# KiCad board BV1.2.kicad_pcb
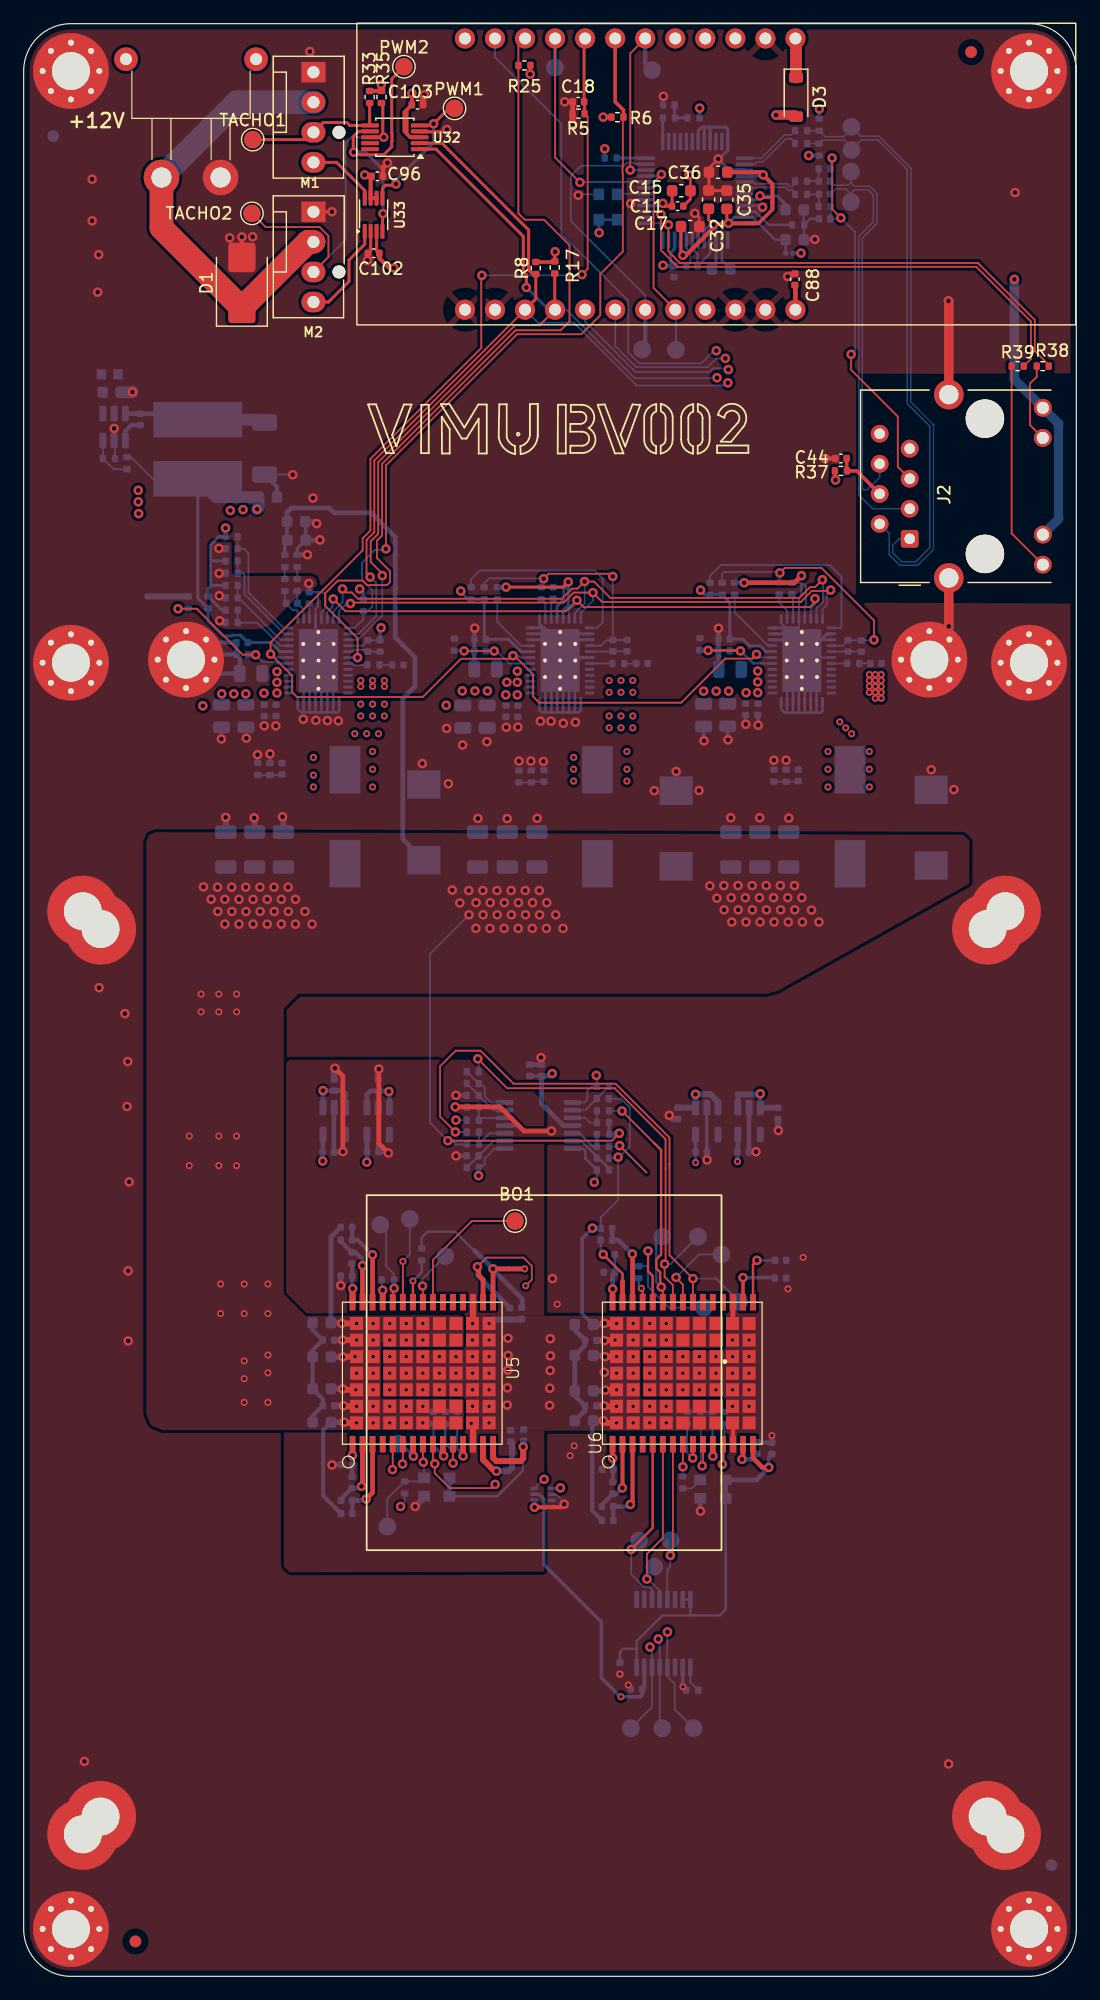
[diagram p0: board, top side]
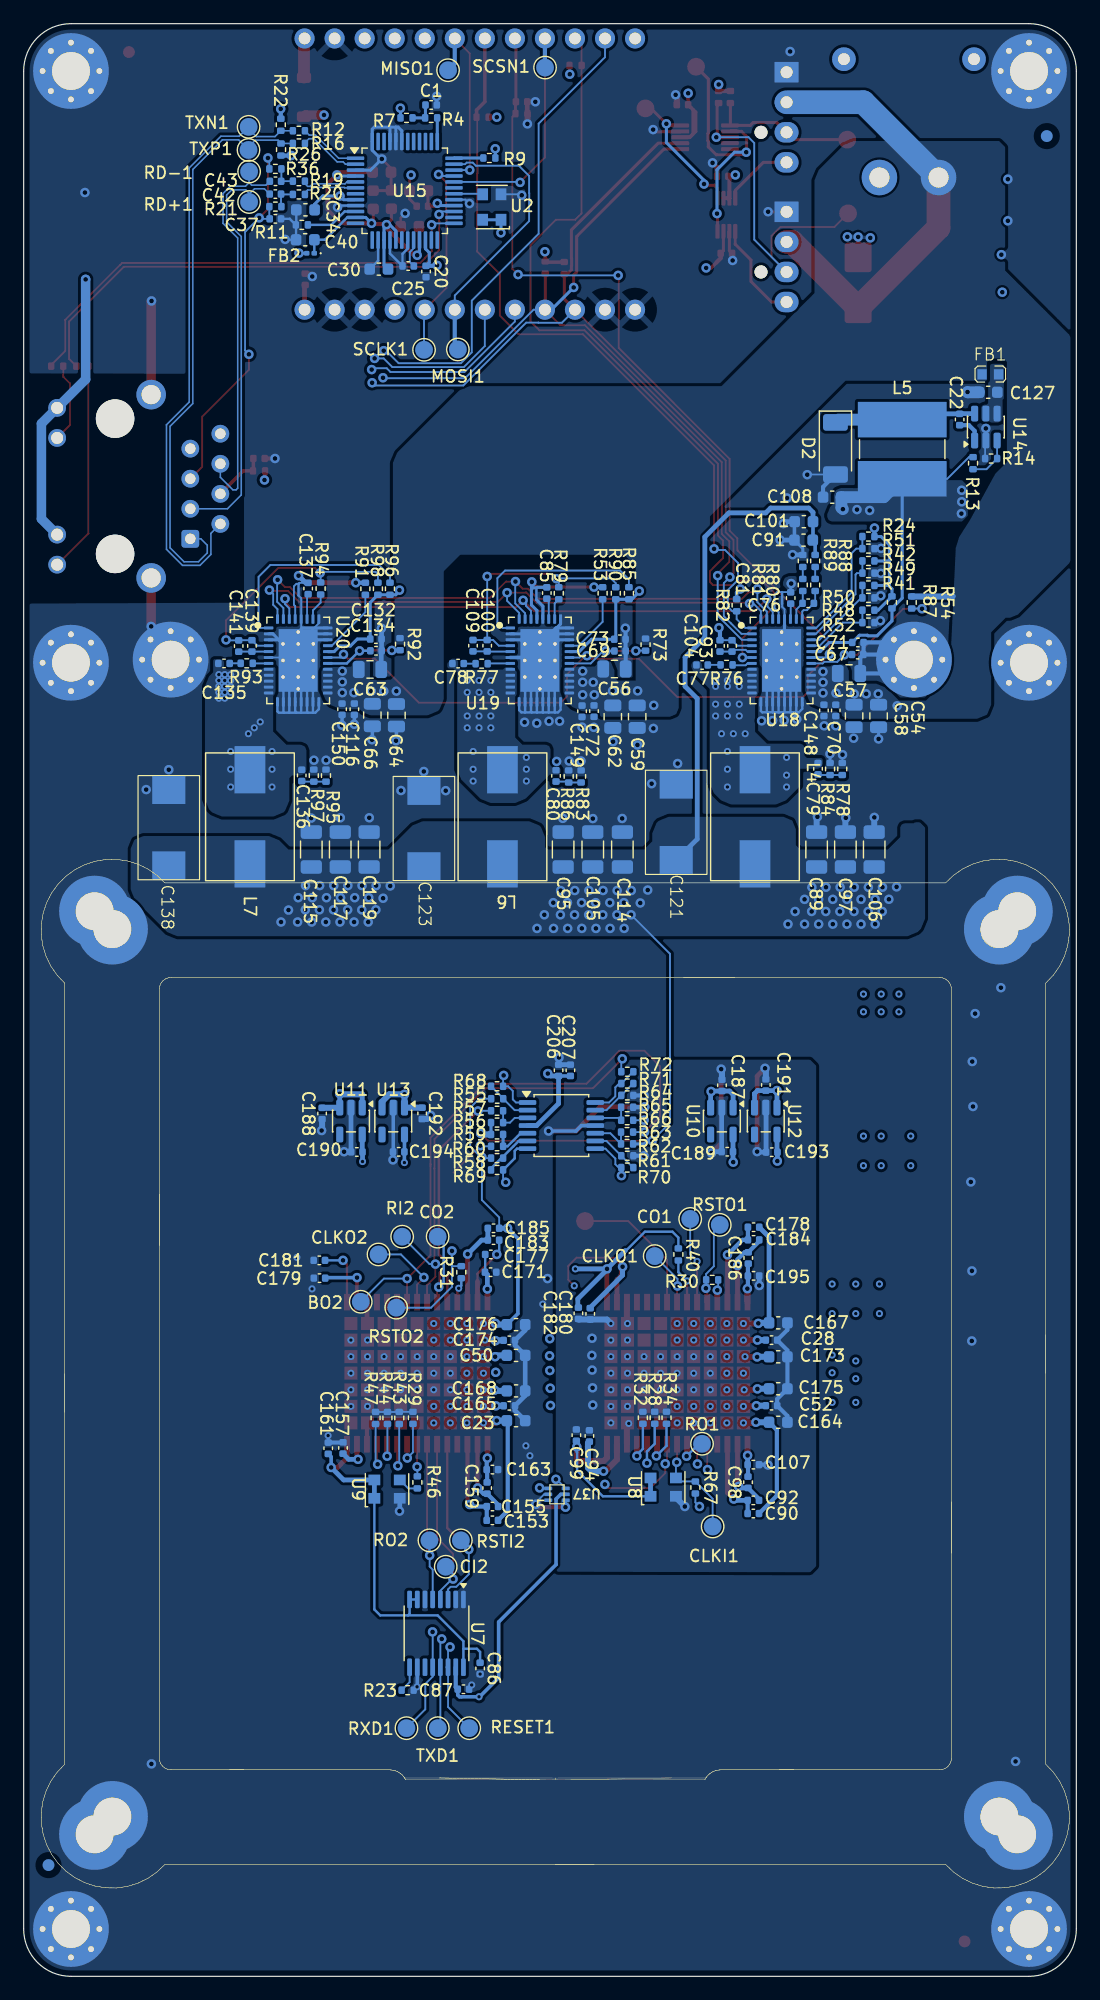
[diagram p1: board, bottom side, seen from below]

Outline 89 x 165 mm; copper layers: Top, In1.Cu, In2.Cu, Bottom. Coordinates in mm from the lower left corner of the outline.
Outline path: 0,161 0,4 arc(1.17,1.17) 4,0 85,0 arc(87.83,1.17) 89,4 89,161 arc(87.83,163.83) 85,165 4,165 arc(1.17,163.83) 0,161
Stack: Top 0.02mm / dielectric 0.1mm FR4 er 4.5 / In1.Cu 0.02mm / dielectric 1.3mm FR4 er 4.5 / In2.Cu 0.02mm / dielectric 0.1mm FR4 er 4.5 / Bottom 0.02mm

## Placement (name value [footprint] x y rotation side)
BO1  ~  [TestPoint_Pad_D1.5mm]  41.54 63.82 0 top
BO2  ~  [TestPoint_Pad_D1.5mm]  60.5 57 180 bottom
C1  0.1uF  [C_0402_1005Metric]  54.55 158.13 0 bottom
C11  100nf  [C_0402_1005Metric]  55.29 149.58 0 top
C15  10uF  [C_0603_1608Metric]  55.6 150.88 180 top
C17  0.1uF  [C_0603_1608Metric]  56.35 147.86 0 top
C18  0.1uF  [C_0402_1005Metric]  46.9 158.4 180 top
C20  10nf  [C_0402_1005Metric]  54.98 144.06 90 bottom
C22  10nf  [C_0402_1005Metric]  9.87 131.55 270 bottom
C23  100nf  [C_0402_1005Metric]  47.94 48.21 0 bottom
C25  4.7uF  [C_0402_1005Metric]  56.49 144.52 180 bottom
C28  100nf  [C_0402_1005Metric]  25.77 53.76 0 bottom
C30  0.1uF  [C_0603_1608Metric]  58.97 144.26 0 bottom
C32  0.1uF  [C_0603_1608Metric]  57.91 150.13 90 top
C34  0.1uF  [C_0603_1608Metric]  65.17 149.27 0 bottom
C35  0.1uF  [C_0603_1608Metric]  59.45 150.12 90 top
C36  0.1uF  [C_0603_1608Metric]  58.72 152.45 180 top
C37  10nf  [C_0402_1005Metric]  67.72 148.51 0 bottom
C40  10uF  [C_0603_1608Metric]  65.19 146.74 0 bottom
C42  10nf  [C_0402_1005Metric]  67.72 150.6 180 bottom
C43  10nf  [C_0402_1005Metric]  67.71 151.68 180 bottom
C44  22nf  [C_0402_1005Metric]  69.1 128.26 0 top
C50  33pF  [C_0402_1005Metric]  47.94 53.74 0 bottom
C52  33pF  [C_0402_1005Metric]  25.77 48.22 0 bottom
C54  10uf/25V  [C_0805_2012Metric]  16.72 106.5 90 bottom
C56  10uf/25V  [C_0805_2012Metric]  39.05 110.47 0 bottom
C57  10uf/25V  [C_0805_2012Metric]  19.22 110.09 0 bottom
C58  10uf/25V  [C_0805_2012Metric]  18.79 106.5 90 bottom
C59  10uf/25V  [C_0805_2012Metric]  37.13 106.44 90 bottom
C62  10uf/25V  [C_0805_2012Metric]  39.19 106.44 90 bottom
C63  10uf/25V  [C_0805_2012Metric]  59.72 110.43 0 bottom
C64  10uf/25V  [C_0805_2012Metric]  57.48 106.56 90 bottom
C66  10uf/25V  [C_0805_2012Metric]  59.52 106.58 90 bottom
C67  1uF  [C_0402_1005Metric]  18.49 111.69 0 bottom
C69  1uF  [C_0402_1005Metric]  38.58 111.99 0 bottom
C70  1uF  [C_0402_1005Metric]  20.34 106.97 90 bottom
C71  4.7uF  [C_0402_1005Metric]  18.47 112.71 0 bottom
C72  1uF  [C_0402_1005Metric]  40.78 106.91 90 bottom
C73  4.7uF  [C_0402_1005Metric]  38.59 112.98 0 bottom
C76  33pF  [C_0402_1005Metric]  22.67 116.02 180 bottom
C77  0.1uF  [C_0402_1005Metric]  31.64 110.81 0 bottom
C78  0.1uF  [C_0402_1005Metric]  52.27 110.93 0 bottom
C79  1000pF  [C_0402_1005Metric]  21.84 102.04 90 bottom
C80  1000pF  [C_0402_1005Metric]  43.99 101.44 90 bottom
C81  33pF  [C_0402_1005Metric]  24.15 116.47 270 bottom
C85  33pF  [C_0402_1005Metric]  44.77 116.89 270 bottom
C86  0.1uF  [C_0402_1005Metric]  50.41 26.02 270 bottom
C87  0.1uF  [C_0402_1005Metric]  51.82 24.26 180 bottom
C88  100nF  [C_0402_1005Metric]  65.2 143.4 90 top
C89  22uF  [C_1206_3216Metric]  21.96 95.22 90 bottom
C90  1uF  [C_0402_1005Metric]  27.31 39.11 0 bottom
C91  10uF  [C_0603_1608Metric]  23.06 121.36 0 bottom
C92  1uF  [C_0402_1005Metric]  27.31 40.22 180 bottom
C93  0.1uF  [C_0402_1005Metric]  29.11 112.42 90 bottom
C94  1uF  [C_0402_1005Metric]  41.17 45.66 90 bottom
C95  22uF  [C_1206_3216Metric]  43.39 95.22 90 bottom
C96  100nF  [C_0402_1005Metric]  29.9 152.1 0 top
C97  22uF  [C_1206_3216Metric]  19.53 95.22 90 bottom
C98  1uF  [C_0402_1005Metric]  27.76 41.75 90 bottom
C99  1uF  [C_0402_1005Metric]  42.27 45.73 90 bottom
C100  0.1uF  [C_0402_1005Metric]  49.81 112.44 90 bottom
C101  10uF  [C_0603_1608Metric]  23.04 122.92 0 bottom
C102  100nF  [C_0402_1005Metric]  29.59 145.6 180 top
C103  100nF  [C_0402_1005Metric]  33.3 158.15 0 top
C104  2.2uF  [C_0402_1005Metric]  30.13 112.42 90 bottom
C105  22uF  [C_1206_3216Metric]  40.89 95.22 90 bottom
C106  22uF  [C_1206_3216Metric]  17.09 95.22 90 bottom
C107  1uF  [C_0402_1005Metric]  27.31 43.24 180 bottom
C108  22u/16V  [C_0603_1608Metric]  20.64 124.99 0 bottom
C109  2.2uF  [C_0402_1005Metric]  51.01 112.44 90 bottom
C114  22uF  [C_1206_3216Metric]  38.38 95.22 90 bottom
C115  22uF  [C_1206_3216Metric]  64.68 95.22 90 bottom
C116  1uF  [C_0402_1005Metric]  61.04 107.07 90 bottom
C117  22uF  [C_1206_3216Metric]  62.23 95.22 90 bottom
C119  22uF  [C_1206_3216Metric]  59.79 95.22 90 bottom
C121  560uf  [D7.3xL4.3]  33.83 100.72 270 bottom
C123  560uf  [D7.3xL4.3]  55.16 100.19 270 bottom
C127  10uF  [C_0603_1608Metric]  7.46 133.85 0 bottom
C132  1uF  [C_0402_1005Metric]  59.21 112.01 0 bottom
C134  4.7uF  [C_0402_1005Metric]  59.22 113 0 bottom
C135  0.1uF  [C_0402_1005Metric]  72.06 110.94 0 bottom
C136  1000pF  [C_0402_1005Metric]  65.49 101.48 90 bottom
C137  33pF  [C_0402_1005Metric]  64.95 117.27 270 bottom
C138  560uf  [D7.3xL4.3]  76.73 100.26 270 bottom
C139  0.1uF  [C_0402_1005Metric]  69.7 112.42 90 bottom
C141  2.2uF  [C_0402_1005Metric]  70.82 112.41 90 bottom
C148  0.1uF  [C_0402_1005Metric]  21.34 106.97 90 bottom
C149  0.1uF  [C_0402_1005Metric]  41.79 106.9 90 bottom
C150  0.1uF  [C_0402_1005Metric]  62.08 107.07 90 bottom
C153  1uF  [C_0402_1005Metric]  49.37 38.53 0 bottom
C155  1uF  [C_0402_1005Metric]  49.37 39.7 180 bottom
C157  1uF  [C_0402_1005Metric]  62 44.65 90 bottom
C159  1uF  [C_0402_1005Metric]  49.82 41.26 90 bottom
C161  1uF  [C_0402_1005Metric]  63.25 44.63 90 bottom
C163  1uF  [C_0402_1005Metric]  49.37 42.82 180 bottom
C164  10uF  [C_0603_1608Metric]  25.2 46.82 180 bottom
C165  10uF  [C_0603_1608Metric]  47.37 46.95 180 bottom
C167  10uF  [C_0603_1608Metric]  25.2 55.22 180 bottom
C168  10uF  [C_0603_1608Metric]  47.37 49.47 180 bottom
C171  1uF  [C_0402_1005Metric]  49.52 59.5 0 bottom
C173  10uF  [C_0603_1608Metric]  25.2 52.35 180 bottom
C174  10uF  [C_0603_1608Metric]  47.37 52.47 180 bottom
C175  10uF  [C_0603_1608Metric]  25.2 49.65 180 bottom
C176  10uF  [C_0603_1608Metric]  47.37 55.07 180 bottom
C177  1uF  [C_0402_1005Metric]  49.5 61 180 bottom
C178  1uF  [C_0402_1005Metric]  27.29 63.3 180 bottom
C179  1uF  [C_0402_1005Metric]  63.99 59 0 bottom
C180  1uF  [C_0402_1005Metric]  41.1 55.98 270 bottom
C181  1uF  [C_0402_1005Metric]  64 60.5 0 bottom
C182  1uF  [C_0402_1005Metric]  42.1 56.03 270 bottom
C183  1uF  [C_0402_1005Metric]  49.28 62.21 0 bottom
C184  1uF  [C_0402_1005Metric]  27.29 62.23 0 bottom
C185  1uF  [C_0402_1005Metric]  49.28 63.21 180 bottom
C186  1uF  [C_0402_1005Metric]  27.74 60.7 90 bottom
C187  1uF  [C_0402_1005Metric]  29.96 75.29 270 bottom
C188  1uF  [C_0402_1005Metric]  63.77 72.91 90 bottom
C189  1uF  [C_0402_1005Metric]  29.51 69.68 180 bottom
C190  1uF  [C_0402_1005Metric]  60.83 69.66 180 bottom
C191  1uF  [C_0402_1005Metric]  26.25 75.32 270 bottom
C192  1uF  [C_0402_1005Metric]  55.31 72.92 90 bottom
C193  1uF  [C_0402_1005Metric]  25.75 69.64 180 bottom
C194  1uF  [C_0402_1005Metric]  57.29 69.67 180 bottom
C195  1uF  [C_0402_1005Metric]  27.29 59.19 0 bottom
C206  0.1uF  [C_0402_1005Metric]  43.78 76.56 270 bottom
C207  1uF  [C_0402_1005Metric]  42.78 76.56 270 bottom
CI2  ~  [TestPoint_Pad_D1.5mm]  53.32 34.61 180 bottom
CLKI1  ~  [TestPoint_Pad_D1.5mm]  30.75 38.01 180 bottom
CLKO1  ~  [TestPoint_Pad_D1.5mm]  35.65 60.86 180 bottom
CLKO2  ~  [TestPoint_Pad_D1.5mm]  59 61 180 bottom
CO1  ~  [TestPoint_Pad_D1.5mm]  32.65 64 180 bottom
CO2  ~  [TestPoint_Pad_D1.5mm]  54 62.5 180 bottom
D1  5KP18A  [D_SMB]  18.45 143.1 90 top
D2  ~  [D_SOD-128]  20.37 129.11 270 bottom
D3  1N5819  [D_SOD-123]  65.3 158.8 270 top
FB1  ~  [FB0603]  7.27 135.37 180 bottom
FB2  ~  [D_0201_0603Metric]  64.75 145.6 0 bottom
FID1  -  [Fiducial_1mm_Mask2mm]  9.45 2.95 0 top
FID2  -  [Fiducial_1mm_Mask2mm]  80.1 162.6 180 top
FID3  -  [Fiducial_1mm_Mask2mm]  86.9 9.4 180 bottom
FID4  -  [Fiducial_1mm_Mask2mm]  2.5 155.5 270 bottom
H1  MountingHole_Pad  [MountingHole_3.2mm_M3_Pad_Via]  4 161 0 top
H2  MountingHole_Pad  [MountingHole_3.2mm_M3_Pad_Via]  85 161 0 top
H3  MountingHole_Pad  [MountingHole_3.2mm_M3_Pad_Via]  85 111 0 top
H4  MountingHole_Pad  [MountingHole_3.2mm_M3_Pad_Via]  4 111 0 top
H5  MountingHole_Pad  [MountingHole_3.2mm_M3_Pad_Via]  4 4 0 top
H6  MountingHole_Pad  [MountingHole_3.2mm_M3_Pad_Via]  85 4 0 top
H7  MountingHole_Pad  [MountingHole_3.2mm_M3_Pad_Via]  13.73 111.26 0 top
H8  MountingHole_Pad  [MountingHole_3.2mm_M3_Pad_Via]  76.58 111.26 0 top
J1  XT30  [XT30PW-M]  14.15 152 0 top
J2  -  [RJ45_Hanrun_HR911105A_Horizontal]  74.91 121.47 90 top
L4  150nH  [SLC1175-271MEC_COC]  27.17 97.98 270 bottom
L5  4.7uH  [L_Ferrocore_DLG-0703]  14.72 129.04 270 bottom
L6  150nH  [SLC1175-271MEC_COC]  48.52 97.98 270 bottom
L7  150nH  [SLC1175-271MEC_COC]  69.87 97.98 270 bottom
M1  Fan_4pin  [FanPinHeader_1x04_P2.54mm_Vertical]  24.5 160.9 270 top
M2  Fan_4pin  [FanPinHeader_1x04_P2.54mm_Vertical]  24.5 149.1 270 top
MISO1  ~  [TestPoint_Pad_D1.5mm]  53.12 161.07 180 bottom
MOSI1  ~  [TestPoint_Pad_D1.5mm]  52.29 137.47 180 bottom
NOREF  -  [unnamed]  81.5 88.5 0 top
NOREF#2  -  [unnamed]  6.5 13.5 0 top
NOREF#3  -  [unnamed]  5 90 0 top
NOREF#4  -  [unnamed]  83 12 0 top
NOREF#5  -  [unnamed]  81.5 13.5 0 top
NOREF#6  -  [unnamed]  83 90 0 top
NOREF#7  -  [unnamed]  5 12 0 top
NOREF#8  -  [unnamed#2]  7.5 90.5 0 top
NT3  NetTie_2  [NetTie-2_SMD_Pad0.2mmx1mm]  24.88 116.47 90 bottom
NT4  NetTie_2  [NetTie-2_SMD_Pad0.2mmx1mm]  45.65 116.83 90 bottom
NT5  NetTie_2  [NetTie-2_SMD_Pad0.2mmx1mm]  65.76 117.17 90 bottom
PWM1  TestPoint  [TestPoint_Pad_D1.5mm]  36.43 157.84 0 top
PWM2  TestPoint  [TestPoint_Pad_D1.5mm]  32.15 161.36 0 top
R4  1k  [R_0402_1005Metric]  54.55 157.04 180 bottom
R5  10k  [R_0402_1005Metric]  46.91 157.4 0 top
R6  10k  [R_0402_1005Metric]  50.2 157.1 180 top
R7  10k  [R_0402_1005Metric]  56.63 157.04 180 bottom
R8  4.7k  [R_0402_1005Metric]  43.3 144.35 90 top
R9  10k  [R_0402_1005Metric]  49.63 153.65 180 bottom
R11  12.4k  [R_0402_1005Metric]  65.48 148 180 bottom
R12  0R  [R_0402_1005Metric]  65.73 155.95 0 bottom
R13  84.5k  [R_0402_1005Metric]  8.73 127.86 90 bottom
R14  16.2k  [R_0402_1005Metric]  7.21 128.25 180 bottom
R16  0R  [R_0402_1005Metric]  65.73 154.88 0 bottom
R17  4.7k  [R_0402_1005Metric]  44.9 144.4 90 top
R19  0R  [R_0402_1005Metric]  65.73 151.69 0 bottom
R20  0R  [R_0402_1005Metric]  65.73 150.57 0 bottom
R21  49R9  [R_0402_1005Metric]  67.72 149.54 0 bottom
R22  49R9  [R_0402_1005Metric]  67.26 156.46 270 bottom
R23  20k  [R_0402_1005Metric]  56.53 24.18 0 bottom
R24  21.5k  [R_0402_1005Metric]  17.58 121.66 180 bottom
R25  4.7k  [R_0402_1005Metric]  42.34 161.47 0 top
R26  49R9  [R_0402_1005Metric]  67.24 154.36 90 bottom
R28  1k  [R_0402_1005Metric]  35.65 47.2 90 bottom
R29  10k  [R_0402_1005Metric]  56.09 47.19 90 bottom
R30  10k  [R_0402_1005Metric]  30.79 58.85 0 bottom
R31  10k  [R_0402_1005Metric]  52 59.5 270 bottom
R32  1k  [R_0402_1005Metric]  36.65 47.2 90 bottom
R33  2.7k  [R_0402_1005Metric]  29.25 158.8 270 top
R34  1k  [R_0402_1005Metric]  34.65 47.2 90 bottom
R35  2.7k  [R_0402_1005Metric]  30.25 158.8 270 top
R36  49R9  [R_0402_1005Metric]  67.72 152.73 0 bottom
R37  10R  [R_0402_1005Metric]  69.1 127.21 0 top
R38  0.33k  [R_0402_1005Metric]  86.16 136.06 0 top
R39  0.33k  [R_0402_1005Metric]  84.04 136.06 0 top
R40  10k  [R_0402_1005Metric]  33.65 61 270 bottom
R41  14.7K  [R_0402_1005Metric]  17.58 117.53 180 bottom
R42  46.4k  [R_0402_1005Metric]  17.58 119.6 180 bottom
R43  1k  [R_0402_1005Metric]  57.25 47.18 90 bottom
R44  1k  [R_0402_1005Metric]  58.25 47.18 90 bottom
R46  0  [R_0402_1005Metric]  55.72 41.74 270 bottom
R47  1k  [R_0402_1005Metric]  59.25 47.18 90 bottom
R48  31.6k  [R_0402_1005Metric]  17.58 115.44 180 bottom
R49  10k  [R_0402_1005Metric]  17.58 118.57 0 bottom
R50  21.5K  [R_0402_1005Metric]  17.58 116.48 0 bottom
R51  4.64k  [R_0402_1005Metric]  17.58 120.64 0 bottom
R52  6.81k  [R_0402_1005Metric]  17.58 114.39 0 bottom
R53  10k  [R_0402_1005Metric]  40.05 116.87 90 bottom
R54  10  [R_0402_1005Metric]  13.92 116.09 270 bottom
R55  1k  [R_0402_1005Metric]  48.97 74.16 0 bottom
R56  10k  [R_0402_1005Metric]  48.97 72.14 0 bottom
R57  10k  [R_0402_1005Metric]  48.97 73.14 180 bottom
R58  1k  [R_0402_1005Metric]  48.97 69.14 0 bottom
R59  10k  [R_0402_1005Metric]  48.97 71.14 180 bottom
R60  10k  [R_0402_1005Metric]  48.97 70.14 180 bottom
R61  1k  [R_0402_1005Metric]  37.97 69.34 180 bottom
R62  10k  [R_0402_1005Metric]  37.98 70.34 0 bottom
R63  10k  [R_0402_1005Metric]  37.98 71.34 0 bottom
R64  1k  [R_0402_1005Metric]  37.97 74.44 180 bottom
R65  10k  [R_0402_1005Metric]  37.97 73.44 0 bottom
R66  10k  [R_0402_1005Metric]  37.97 72.34 0 bottom
R67  0  [R_0402_1005Metric]  32.21 41.31 90 bottom  (not fitted)
R68  1k  [R_0402_1005Metric]  48.97 75.21 0 bottom
R69  1k  [R_0402_1005Metric]  48.97 68.14 0 bottom
R70  1k  [R_0402_1005Metric]  37.97 68.34 180 bottom
R71  1k  [R_0402_1005Metric]  37.97 75.44 180 bottom
R72  1k  [R_0402_1005Metric]  37.97 76.44 180 bottom
R73  10  [R_0402_1005Metric]  36.42 112.53 270 bottom
R76  0R  [R_0402_1005Metric]  29.57 110.82 0 bottom
R77  0R  [R_0402_1005Metric]  50.28 110.92 0 bottom
R78  10  [R_0402_1005Metric]  19.79 102.02 270 bottom
R79  49.9  [R_0402_1005Metric]  43.76 116.87 90 bottom
R80  49.9  [R_0402_1005Metric]  22.08 117.57 270 bottom
R81  49.9  [R_0402_1005Metric]  23.13 117.57 90 bottom
R82  10k  [R_0402_1005Metric]  28.72 115.86 270 bottom
R83  10  [R_0402_1005Metric]  41.87 101.39 270 bottom
R84  10  [R_0402_1005Metric]  20.82 102.02 270 bottom
R85  10k  [R_0402_1005Metric]  37.83 116.87 90 bottom
R86  10  [R_0402_1005Metric]  42.92 101.39 270 bottom
R87  5.11k  [R_0402_1005Metric]  15.59 116.1 270 bottom
R88  49.9  [R_0402_1005Metric]  22.08 119.6 270 bottom
R89  49.9  [R_0402_1005Metric]  23.13 119.6 270 bottom
R90  5.11k  [R_0402_1005Metric]  38.94 116.87 270 bottom
R91  21.5k  [R_0402_1005Metric]  60.11 117.25 90 bottom
R92  10  [R_0402_1005Metric]  57.18 112.57 270 bottom
R93  0R  [R_0402_1005Metric]  70.14 110.95 0 bottom
R94  49.9  [R_0402_1005Metric]  63.89 117.27 90 bottom
R95  10  [R_0402_1005Metric]  63.44 101.46 270 bottom
R96  10k  [R_0402_1005Metric]  58.03 117.25 90 bottom
R97  10  [R_0402_1005Metric]  64.47 101.46 270 bottom
R98  5.11k  [R_0402_1005Metric]  59.05 117.25 270 bottom
RD+1  ~  [TestPoint_Pad_D1.5mm]  69.94 149.93 180 bottom
RD-1  ~  [TestPoint_Pad_D1.5mm]  69.94 152.5 180 bottom
RESET1  ~  [TestPoint_Pad_D1.5mm]  51.33 20.97 180 bottom
RI2  ~  [TestPoint_Pad_D1.5mm]  57 62.5 180 bottom
RO1  ~  [TestPoint_Pad_D1.5mm]  31.65 45 180 bottom
RO2  ~  [TestPoint_Pad_D1.5mm]  54.7 36.84 180 bottom
RSTI2  ~  [TestPoint_Pad_D1.5mm]  52.04 36.84 180 bottom
RSTO1  ~  [TestPoint_Pad_D1.5mm]  30.15 63.5 180 bottom
RSTO2  ~  [TestPoint_Pad_D1.5mm]  57.5 56.5 180 bottom
RXD1  ~  [TestPoint_Pad_D1.5mm]  56.64 20.97 180 bottom
SCLK1  ~  [TestPoint_Pad_D1.5mm]  55.15 137.44 180 bottom
SCSN1  ~  [TestPoint_Pad_D1.5mm]  44.92 161.29 180 bottom
TACHO1  TestPoint  [TestPoint_Pad_D1.5mm]  19.37 155.2 0 top
TACHO2  TestPoint  [TestPoint_Pad_D1.5mm]  19.3 148.97 0 top
TXD1  ~  [TestPoint_Pad_D1.5mm]  53.98 20.97 180 bottom
TXN1  ~  [TestPoint_Pad_D1.5mm]  69.98 156.28 180 bottom
TXP1  ~  [TestPoint_Pad_D1.5mm]  69.99 154.33 180 bottom
U1  ~  [polarity]  -46.37 187.84 0 top
U2  25MHz  [Oscillator_SMD_EuroQuartz_XO32-4Pin_3.2x2.5mm]  49.42 149.5 0 bottom
U5  ~  [B1373CC]  26.85 45.06 90 top
U6  ~  [B1373CC]  48.83 45.06 90 top
U7  SN74AXC4T774  [TSSOP-16_4.4x5mm_P0.65mm]  54.09 28.98 270 bottom
U8  25MHz  [Oscillator_SMD_EuroQuartz_XO32-4Pin_3.2x2.5mm]  34.93 41.34 90 bottom
U9  25MHz  [Oscillator_SMD_EuroQuartz_XO32-4Pin_3.2x2.5mm]  58.28 41.17 90 bottom
U10  MCP1824T-1202E/OT  [SOT-23-5]  29.97 72.27 270 bottom
U11  MCP1824T-1202E/OT  [SOT-23-5]  61.33 72.27 270 bottom
U12  MCP1824T-0802E  [SOT-23-5]  26.26 72.27 270 bottom
U13  MCP1824T-0802E  [SOT-23-5]  57.75 72.27 270 bottom
U14  ~  [SOT-23-6]  7.65 130.91 90 bottom
U15  W5500  [LQFP-48_7x7mm_P0.5mm]  56.78 150.88 180 bottom
U17  TLV3544  [TSSOP-14_4.4x5mm_P0.65mm]  43.54 71.89 180 bottom
U18  ~  [LQFN40-CLIP]  24.92 111.19 180 bottom
U19  ~  [LQFN40-CLIP]  45.36 111.19 180 bottom
U20  ~  [LQFN40-CLIP]  65.79 111.19 180 bottom
U30  -  [T-Display-S3]  58.56 152.29 90 top
U32  EMC2302-1  [MSOP-10_3x3mm_P0.5mm]  31.39 155.4 180 top
U33  TXU0102-DCU  [VSSOP-8_2.3x2mm_P0.5mm]  29.59 148.85 90 top
U37  TMP1075  [TMP1075-DRL]  43.91 40.73 180 bottom

## Library data of the parts
BO1 BO2 CI2 CLKI1 CLKO1 CLKO2 CO1 CO2 MISO1 MOSI1 PWM1 PWM2 RD+1 RD-1 RESET1 RI2 RO1 RO2 RSTI2 RSTO1 RSTO2 RXD1 SCLK1 SCSN1 TACHO1 TACHO2 TXD1 TXN1 TXP1 = -: Description: test point; ki_fp_filters: Pin* Test*
C1 C25 C71 C73 C93 C100 C104 C109 C134 C139 C141 = -: Datasheet: https://search.murata.co.jp/Ceramy/image/img/A01X/G101/ENG/GRM155R61A475MEAA-01.pdf; Description: Unpolarized capacitor, small symbol; KiLib_Generator: SMD_2terminal_chip_molded; PARTNO: GRM155R61A475MEAAD; DK: 490-14306-1-ND; ki_fp_filters: C_*
C11 C20 C23 C28 C37 C42-C44 = -: KiLib_Generator: SMD_2terminal_chip_molded; PARTNO: GRM188R61E106KA73D; ki_fp_filters: C_*
C15 C17 C30 C32 C34-C36 C40 C164 C165 C167 C168 C173-C176 = -: KiLib_Generator: SMD_2terminal_chip_molded; PARTNO: CL10A106MO8NQNC; LCSC: C92487 Hot; ki_fp_filters: C_*
C18 C77 C78 C86 C87 C135 = -: Datasheet: https://datasheets.kyocera-avx.com/KGM_X7R.pdf; Description: Unpolarized capacitor, small symbol; KiLib_Generator: SMD_2terminal_chip_molded; PARTNO: KGM05AR71C104KH; DK: 478-KGM05AR71C104KHCT-ND; ki_fp_filters: C_*
C22 = -: Description: Unpolarized capacitor, small symbol; KiLib_Generator: SMD_2terminal_chip_molded; PARTNO: GRM188R61E106KA73D; ki_fp_filters: C_*
C50 C52 C76 C81 C85 C137 = -: Datasheet: https://datasheets.kyocera-avx.com/C0GNP0-KGM.pdf; Description: Unpolarized capacitor, small symbol; KiLib_Generator: SMD_2terminal_chip_molded; PARTNO: KGM05ACG1E330JH; DK: 478-KGM05ACG1E330JHCT-ND; Voltage: 25V; ki_fp_filters: C_*
C54 C56-C59 C62-C64 C66 FB2 = -: KiLib_Generator: SMD_2terminal_chip_molded
C67 C69 C70 C72 C116 C132 C148-C150 = -: Datasheet: https://mm.digikey.com/Volume0/opasdata/d220001/medias/docus/1117/EMK105BJ105MV-F_SS.pdf; Description: Unpolarized capacitor, small symbol; KiLib_Generator: SMD_2terminal_chip_molded; PARTNO: TMK107B7105KA-T; DK: 587-2984-1-ND; Voltage: 25V; ki_fp_filters: C_*
C79 C80 C136 = -: Datasheet: https://datasheets.kyocera-avx.com/KGM_X7R.pdf; Description: Unpolarized capacitor, small symbol; KiLib_Generator: SMD_2terminal_chip_molded; PARTNO: CC0402JRNPO9BN101; DK: 311-1024-1-ND; Voltage: 50V; ki_fp_filters: C_*
C88 C96 C102 C103 = -: KiLib_Generator: SMD_2terminal_chip_molded; PARTNO: CC0402KRX7R7BB104; Manufacturer : YAGEO; LCSC: C60474; ki_fp_filters: C_*
C89 C95 C97 C105 C106 C114 C115 C117 C119 = -: Description: Unpolarized capacitor, small symbol; KiLib_Generator: SMD_2terminal_chip_molded; PARTNO: CL31A107MQHNNNE; DK: 1276-1782-1-ND; Voltage: 6.3V; ki_fp_filters: C_*
C90 C92 C94 C98 C99 C107 C153 C155 C157 C159 C161 C163 C171 C177-C186 C195 = -: KiLib_Generator: SMD_2terminal_chip_molded; PARTNO: CL05A105KO5NNNC; LCSC: C29266; ki_fp_filters: C_*
C91 C101 = -: Description: Unpolarized capacitor, small symbol; KiLib_Generator: SMD_2terminal_chip_molded; PARTNO: CL10A106MO8NQNC; Manufacturer : Samsung Electro-Mechanics; LCSC: C92487; ki_fp_filters: C_*
C108 = -: Description: Unpolarized capacitor, small symbol; KiLib_Generator: SMD_2terminal_chip_molded; PARTNO: GRM188R61E106KA73D; DK: 490-18214-1-ND; ki_fp_filters: C_*
C127 = -: Description: Unpolarized capacitor, small symbol; KiLib_Generator: SMD_2terminal_chip_molded; Voltage: 25V; PARTNO: GRM188R61E106KA73D; DK: 490-18214-1-ND; ki_fp_filters: C_*
C187-C194 = -: Datasheet: https://mm.digikey.com/Volume0/opasdata/d220001/medias/docus/1117/EMK105BJ105MV-F_SS.pdf; Description: Unpolarized capacitor, small symbol; KiLib_Generator: SMD_2terminal_chip_molded; DK: 587-5514-1-ND; PARTNO: EMK105BJ105MV-F; ki_fp_filters: C_*
C206 = -: Description: Unpolarized capacitor, small symbol; KiLib_Generator: SMD_2terminal_chip_molded; DK: 478-KGM05AR71C104KHCT-ND; PARTNO: KGM05AR71C104KH; ki_fp_filters: C_*
C207 = -: Description: Unpolarized capacitor, small symbol; KiLib_Generator: SMD_2terminal_chip_molded; DK: 587-5514-1-ND; PARTNO: EMK105BJ105MV-F; ki_fp_filters: C_*
D1 = -: Datasheet: https://diotec.com/tl_files/diotec/files/pdf/datasheets/5kp65.pdf; Description: 5000W unidirectional Transient Voltage Suppressor, P-600; Distributor: D; OrderNr: SMBJ12ALFCT-ND; PARTNO: SMBJ12A; Manufacturer : UMW(Youtai Semiconductor Co., Ltd.); LCSC: C3001973; ki_fp_filters: D?P600*